# Altium PCB BRD_XC95144XL.PcbDoc (part 2 of 2)
Units mm, origin at the board's own origin, x right, y up, seen from the top; angles counter-clockwise.
Board outline 148 x 69 mm, 2 copper layers (Top Layer, Bottom Layer); 248 components, 199 nets, 775 pads, 46 vias.
Unrouted connection lines stored in the file: 221.
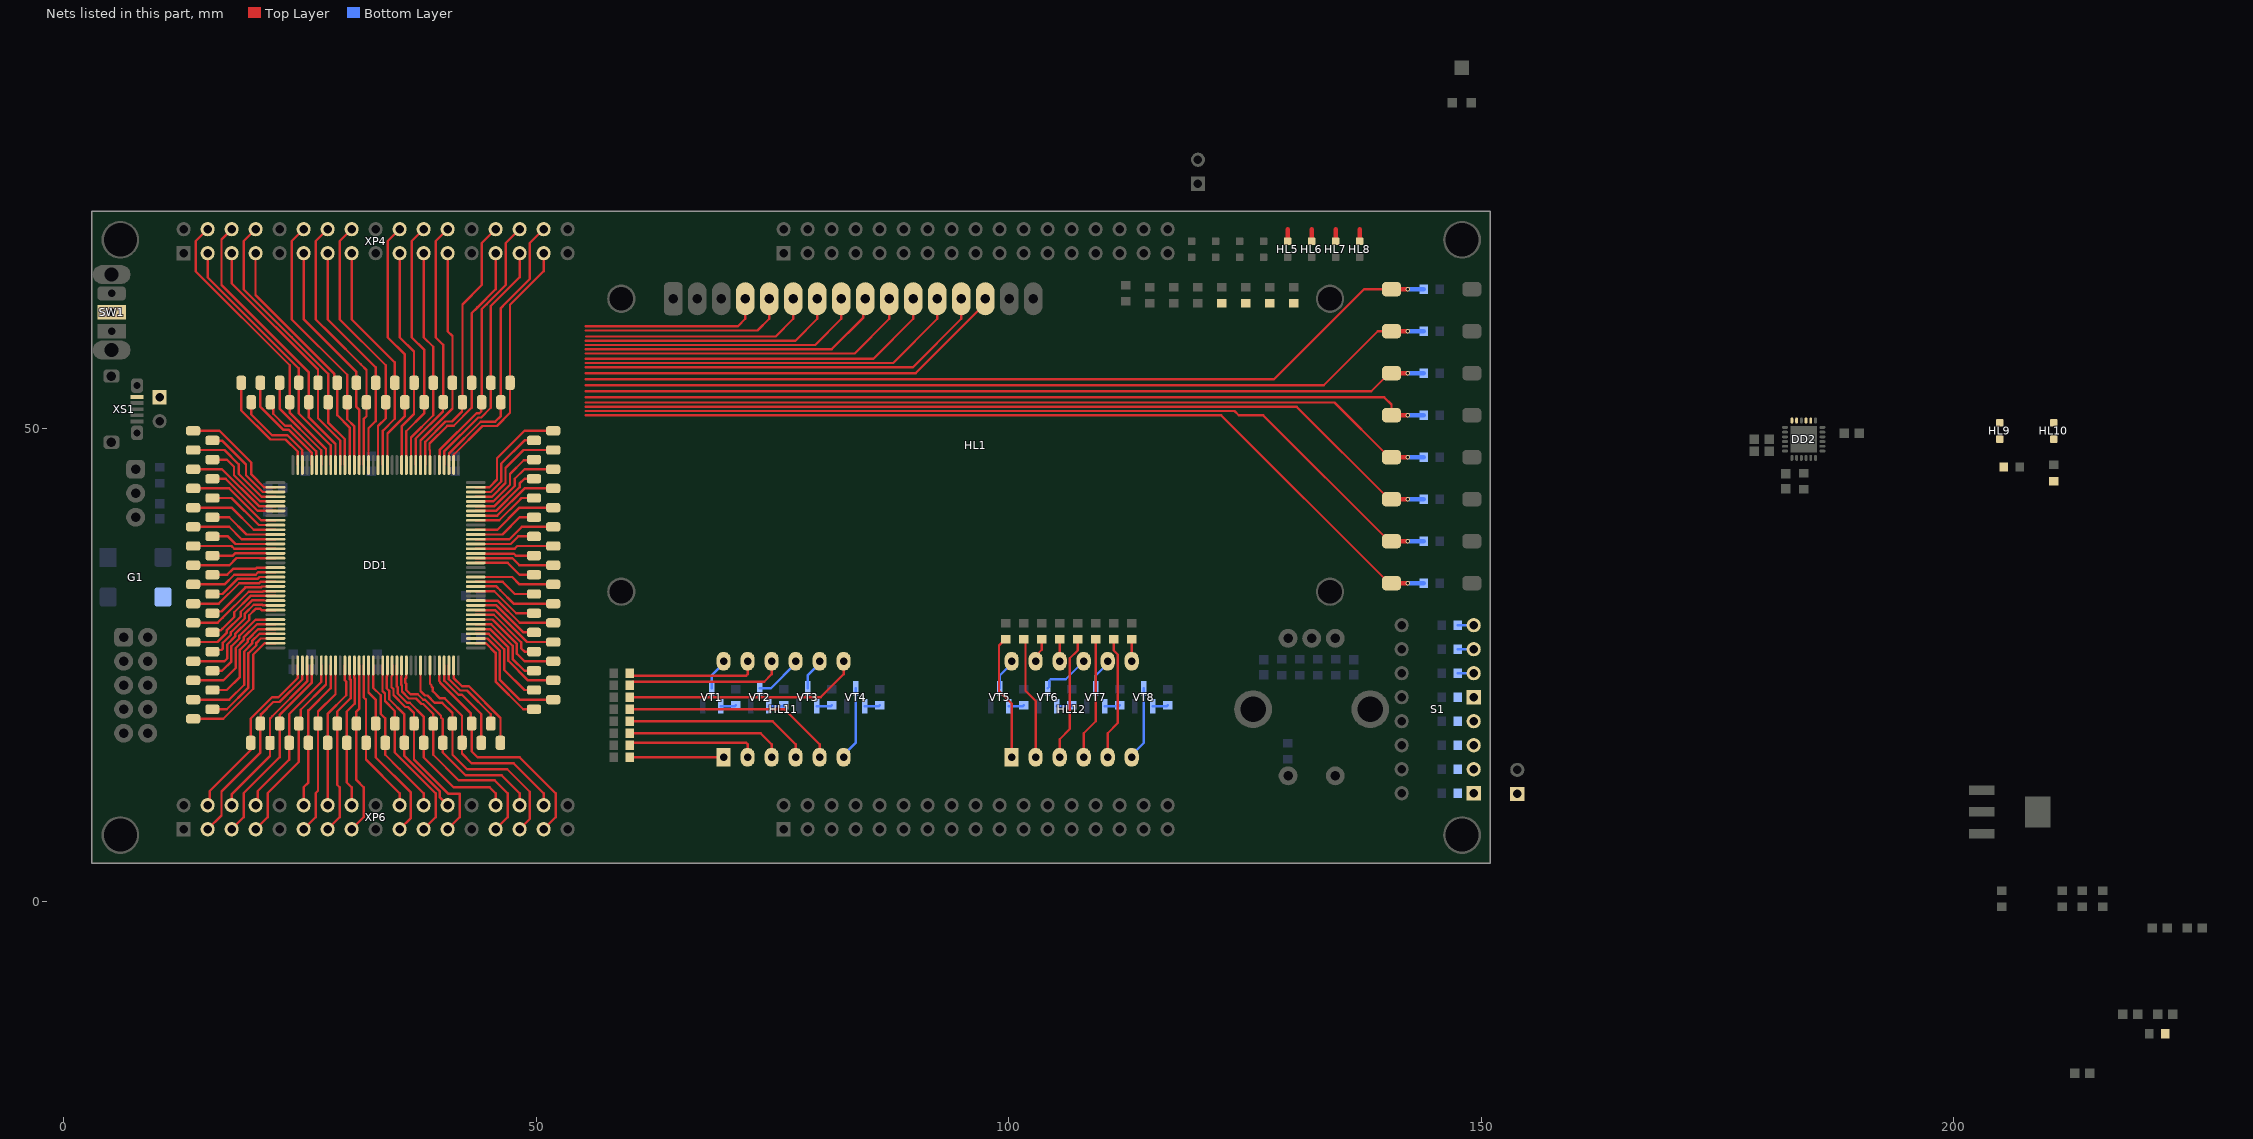
[diagram p2: the nets of this part, all layers, seen from the top]

## Via types
v1: diameter 0.5, hole 0.3, Top Layer to Bottom Layer, 42 vias
v2: diameter 0.66, hole 0.33, Top Layer to Bottom Layer, 4 vias

## Nets (pads, with @x,y where several pads share a name; then routed paths per layer and width w, separated by ;. In a path a pad name is that pad's centre, name@x,y a point inside that pad or via, vN(x,y) a via of type N, cw(c..) or ccw(c..) an arc to the next point about the centre after c; other vN are vias at no path point) (continued)
NetHL5_K: HL5.K R5.1 | length 1.3
  Top Layer w0.5: HL5.K@129.54,69.85 129.54,71.12
NetHL6_K: HL6.K R6.1 | length 1.3
  Top Layer w0.5: HL6.K@132.08,69.85 132.08,71.12
NetHL7_K: HL7.K R7.1 | length 1.3
  Top Layer w0.5: HL7.K@134.62,69.85 134.62,71.12
NetHL8_K: HL8.K R8.1 | length 1.3
  Top Layer w0.5: HL8.K@137.16,69.85 137.16,71.12
NetHL9_A: HL9.A R21.1
NetHL10_A: HL10.A R22.1
NetHL11_1: HL11.1 R27.1 | length 9.9
  Top Layer w0.25: R27.1@59.905,15.24 HL11.1@69.85,15.24
NetHL11_2: HL11.2 R26.1 | length 14
  Top Layer w0.25: R26.1@59.905,16.51 60.156,16.761 72.244,16.761 72.39,16.615 HL11.2@72.39,15.24
NetHL11_3: HL11.3 R30.1 | length 16.9
  Top Layer w0.25: R30.1@59.905,17.78 73.765,17.78 74.93,16.615 HL11.3@74.93,15.24
NetHL11_4: HL11.4 R25.1 | length 19.9
  Top Layer w0.25: R25.1@59.905,19.05 75.035,19.05 77.47,16.615 HL11.4@77.47,15.24
NetHL11_5: HL11.5 R29.1 | length 23
  Top Layer w0.25: R29.1@59.905,20.32 76.305,20.32 80.01,16.615 HL11.5@80.01,15.24
NetHL11_6: HL11.6 VT4.3 | length 7.8
  Bottom Layer w0.25: HL11.6@82.55,15.24 82.55,15.49 83.82,16.76 VT4.3@83.82,22.54
NetHL11_7: HL11.7 R24.1 | length 25
  Top Layer w0.25: R24.1@59.905,21.59 80.115,21.59 82.55,24.025 HL11.7@82.55,25.4
NetHL11_8: HL11.8 VT3.3 | length 3.4
  Bottom Layer w0.25: VT3.3@78.74,22.54 78.74,23.88 80.01,25.15 HL11.8@80.01,25.4
NetHL11_9: HL11.9 VT2.3 | length 5.1
  Bottom Layer w0.25: VT2.3@73.66,22.54 74.86,22.54 77.47,25.15 HL11.9@77.47,25.4
NetHL11_10: HL11.10 R28.1 | length 16.9
  Top Layer w0.25: R28.1@59.905,22.86 59.905,22.91 60.23,23.235 74.14,23.235 74.93,24.025 HL11.10@74.93,25.4
NetHL11_11: HL11.11 R23.1 | length 14
  Top Layer w0.25: R23.1@59.905,24.13 60.156,23.879 72.244,23.879 72.39,24.025 HL11.11@72.39,25.4
NetHL11_12: HL11.12 VT1.3 | length 3.4
  Bottom Layer w0.25: VT1.3@68.58,22.54 68.58,23.88 69.85,25.15 HL11.12@69.85,25.4
NetHL12_1: HL12.1 R36.1 | length 13.4
  Top Layer w0.25: R36.1@99.695,27.725 99.645,27.725 98.996,27.076 98.996,22.263 100.33,20.929 HL12.1@100.33,15.24
NetHL12_2: HL12.2 R35.1 | length 13
  Top Layer w0.25: R35.1@101.6,27.725 101.6,27.559 101.677,27.482 101.713,27.482 101.795,27.4 101.795,22.271 102.87,21.196 HL12.2@102.87,15.24
NetHL12_3: HL12.3 R39.1 | length 13.3
  Top Layer w0.25: HL12.3@105.41,15.24 105.41,17.145 106.485,18.22 106.485,25.705 107.315,26.535 R39.1@107.315,27.725
NetHL12_4: HL12.4 R34.1 | length 13
  Top Layer w0.25: HL12.4@107.95,15.24 107.95,17.78 109.22,19.05 R34.1@109.22,27.725
NetHL12_5: HL12.5 R38.1 | length 13.1
  Top Layer w0.25: HL12.5@110.49,15.24 110.49,17.78 111.565,18.855 111.565,26.095 111.125,26.535 R38.1@111.125,27.725
NetHL12_6: HL12.6 VT8.3 | length 7.8
  Bottom Layer w0.25: HL12.6@113.03,15.24 113.03,15.49 114.3,16.76 VT8.3@114.3,22.54
NetHL12_7: HL12.7 R33.1 | length 2.3
  Top Layer w0.25: HL12.7@113.03,25.4 R33.1@113.03,27.725
NetHL12_8: HL12.8 VT7.3 | length 3.4
  Bottom Layer w0.25: VT7.3@109.22,22.54 109.22,23.88 110.49,25.15 HL12.8@110.49,25.4
NetHL12_9: HL12.9 VT6.3 | length 5.4
  Bottom Layer w0.25: VT6.3@104.14,22.54 104.315,22.715 104.315,23.349 104.461,23.495 106.045,23.495 HL12.9@107.95,25.4
NetHL12_10: HL12.10 R37.1 | length 2.3
  Top Layer w0.25: HL12.10@105.41,25.4 R37.1@105.41,27.725
NetHL12_11: HL12.11 R32.1 | length 2.6
  Top Layer w0.25: HL12.11@102.87,25.4 102.87,25.971 103.505,26.606 R32.1@103.505,27.725
NetHL12_12: HL12.12 VT5.3 | length 3.4
  Bottom Layer w0.25: VT5.3@99.06,22.54 99.06,23.88 100.33,25.15 HL12.12@100.33,25.4
NetR9_2: R9.2 SB7.1 | length 91.1
  Top Layer w0.25: 55.245,54.61 133.351,54.61 139.066,60.325 SB7.1@140.53,60.325
  Top Layer w0.5: SB7.1@140.53,60.325 v1(142.24,60.325)
  Bottom Layer w0.5: v1(142.24,60.325) R9.2@143.93,60.325
NetR10_2: R10.2 SB6.1 | length 89.5
  Top Layer w0.25: 55.245,53.975 138.375,53.975 140.28,55.88 SB6.1@140.53,55.88
  Top Layer w0.5: SB6.1@140.53,55.88 v1(142.24,55.88)
  Bottom Layer w0.5: v1(142.24,55.88) R10.2@143.93,55.88
NetR11_2: R11.2 SB5.1 | length 90.1
  Top Layer w0.25: 55.245,53.34 139.75,53.34 140.53,52.56 SB5.1@140.53,51.435
  Top Layer w0.5: SB5.1@140.53,51.435 v1(142.24,51.435)
  Bottom Layer w0.5: v1(142.24,51.435) R11.2@143.93,51.435
NetR12_2: R12.2 SB4.1 | length 91.1
  Top Layer w0.25: 55.245,52.785 134.485,52.785 140.28,46.99 SB4.1@140.53,46.99
  Top Layer w0.5: SB4.1@140.53,46.99 v1(142.24,46.99)
  Bottom Layer w0.5: v1(142.24,46.99) R12.2@143.93,46.99
NetR13_2: R13.2 SB3.1 | length 92.7
  Top Layer w0.25: 55.245,52.335 130.49,52.335 140.28,42.545 SB3.1@140.53,42.545
  Top Layer w0.5: SB3.1@140.53,42.545 v1(142.24,42.545)
  Bottom Layer w0.5: v1(142.24,42.545) R13.2@143.93,42.545
NetR14_2: R14.2 SB2.1 | length 94.4
  Top Layer w0.25: 55.245,51.885 123.917,51.885 124.367,51.435 126.945,51.435 140.28,38.1 SB2.1@140.53,38.1
  Top Layer w0.5: SB2.1@140.53,38.1 v1(142.24,38.1)
  Bottom Layer w0.5: v1(142.24,38.1) R14.2@143.93,38.1
NetR15_2: R15.2 SB1.1 | length 96
  Top Layer w0.25: 55.245,51.435 122.5,51.435 140.28,33.655 SB1.1@140.53,33.655
  Top Layer w0.5: SB1.1@140.53,33.655 v1(142.24,33.655)
  Bottom Layer w0.5: v1(142.24,33.655) R15.2@143.93,33.655
NetR31_1: R31.1 XP8.1
NetR40_2: R40.2 SB8.1 | length 92.6
  Top Layer w0.25: 55.245,55.245 128.086,55.245 137.611,64.77 SB8.1@140.53,64.77
  Top Layer w0.5: SB8.1@140.53,64.77 v1(142.24,64.77)
  Bottom Layer w0.5: v1(142.24,64.77) R40.2@143.93,64.77
NetR41_2: R41.2 S1.15 | length 1.7
  Bottom Layer w0.25: R41.2@147.535,29.21 S1.15@149.225,29.21
NetR42_2: R42.2 S1.13 | length 1.7
  Bottom Layer w0.25: R42.2@147.535,26.67 S1.13@149.225,26.67
NetR43_2: R43.2 S1.11 | length 1.7
  Bottom Layer w0.25: R43.2@147.535,24.13 S1.11@149.225,24.13
NetR44_2: R44.2 S1.9
NetR45_2: R45.2 S1.7
NetR46_2: R46.2 S1.5
NetR47_2: R47.2 S1.3
NetR48_2: R48.2 S1.1
NetR55_2: R55.2 VT1.1 | length 1.6
  Bottom Layer w0.25: VT1.1@69.53,20.64 71.02,20.64 R55.2@71.12,20.74
NetR56_2: R56.2 VT2.1 | length 1.6
  Bottom Layer w0.25: VT2.1@74.61,20.64 76.1,20.64 R56.2@76.2,20.74
NetR57_2: R57.2 VT3.1 | length 1.6
  Bottom Layer w0.25: VT3.1@79.69,20.64 81.18,20.64 R57.2@81.28,20.74
NetR58_2: R58.2 VT4.1 | length 1.6
  Bottom Layer w0.25: VT4.1@84.77,20.64 86.26,20.64 R58.2@86.36,20.74
NetR59_2: R59.2 VT5.1 | length 1.6
  Bottom Layer w0.25: VT5.1@100.01,20.64 101.5,20.64 R59.2@101.6,20.74
NetR60_2: R60.2 VT6.1 | length 1.6
  Bottom Layer w0.25: VT6.1@105.09,20.64 106.58,20.64 R60.2@106.68,20.74
NetR61_2: R61.2 VT7.1 | length 1.6
  Bottom Layer w0.25: VT7.1@110.17,20.64 111.66,20.64 R61.2@111.76,20.74
NetR62_2: R62.2 VT8.1 | length 1.6
  Bottom Layer w0.25: VT8.1@115.25,20.64 116.74,20.64 R62.2@116.84,20.74
NetSW1_2: SW1.2 XP7.1 XS1.1
Pin2: DD1.2 X36.1 | length 11.9
  Top Layer w0.25: X36.1@13.716,49.784 16.495,49.784 19.868,46.411 19.868,45.162 21.21,43.82 22.41,43.82 DD1.2@22.42,43.81
Pin3: DD1.3 X38.1 | length 9.6
  Top Layer w0.25: X38.1@15.748,48.768 15.8,48.716 16.816,48.716 19.304,46.228 19.304,45.089 21.083,43.31 DD1.3@22.42,43.31
Pin4: DD1.4 X34.1 | length 11.3
  Top Layer w0.25: X34.1@13.716,47.752 17.018,47.752 18.542,46.228 18.542,45.215 20.947,42.81 DD1.4@22.42,42.81
Pin5: DD1.5 X40.1 | length 9
  Top Layer w0.25: X40.1@15.748,46.736 17.272,46.736 18.034,45.974 18.034,45.086 20.81,42.31 DD1.5@22.42,42.31
Pin6: DD1.6 X42.1 | length 10.3
  Top Layer w0.25: X42.1@13.716,45.72 16.764,45.72 20.674,41.81 DD1.6@22.42,41.81
Pin7: DD1.7 X44.1 | length 8.1
  Top Layer w0.25: X44.1@15.748,44.704 17.144,44.704 20.538,41.31 DD1.7@22.42,41.31
Pin9: DD1.9 X46.1 | length 10.1
  Top Layer w0.25: X46.1@13.716,43.688 17.523,43.688 20.901,40.31 DD1.9@22.42,40.31
Pin10: DD1.10 X48.1 | length 7.9
  Top Layer w0.25: X48.1@15.748,42.672 17.78,42.672 20.642,39.81 DD1.10@22.42,39.81
Pin11: DD1.11 X52.1 | length 9.7
  Top Layer w0.25: X52.1@13.716,41.656 17.78,41.656 20.126,39.31 DD1.11@22.42,39.31
Pin12: DD1.12 X50.1 | length 7.4
  Top Layer w0.25: X50.1@15.748,40.64 17.526,40.64 19.356,38.81 DD1.12@22.42,38.81
Pin13: DD1.13 X54.1 | length 9.2
  Top Layer w0.25: X54.1@13.716,39.624 17.526,39.624 18.84,38.31 DD1.13@22.42,38.31
Pin14: DD1.14 X56.1 | length 7
  Top Layer w0.25: X56.1@15.748,38.608 17.4,38.608 18.198,37.81 DD1.14@22.42,37.81
Pin15: DD1.15 X57.1 | length 8.8
  Top Layer w0.25: X57.1@13.716,37.592 17.78,37.592 18.062,37.31 DD1.15@22.42,37.31
Pin16: DD1.16 X3.1 | length 6.8
  Top Layer w0.25: X3.1@15.748,36.576 17.919,36.576 18.153,36.81 DD1.16@22.42,36.81
Pin17: DD1.17 X5.1 | length 9
  Top Layer w0.25: X5.1@13.716,35.56 17.539,35.56 18.301,36.322 20.804,36.322 20.816,36.31 DD1.17@22.42,36.31
Pin19: DD1.19 X9.1 | length 7
  Top Layer w0.25: X9.1@15.748,34.544 17.301,34.544 17.929,35.172 20.304,35.172 20.442,35.31 DD1.19@22.42,35.31
Pin20: DD1.20 X11.1 | length 9.2
  Top Layer w0.25: X11.1@13.716,33.528 17.018,33.528 18.05,34.56 20.329,34.56 20.579,34.81 DD1.20@22.42,34.81
Pin21: DD1.21 X13.1 | length 7.4
  Top Layer w0.25: X13.1@15.748,32.512 16.805,32.512 18.403,34.11 20.515,34.11 20.715,34.31 DD1.21@22.42,34.31
Pin22: DD1.22 X15.1 | length 9.7
  Top Layer w0.25: X15.1@13.716,31.496 16.426,31.496 18.59,33.66 20.701,33.66 20.851,33.81 DD1.22@22.42,33.81
Pin23: DD1.23 X1.1 | length 7.8
  Top Layer w0.25: X1.1@15.748,30.48 15.934,30.666 16.696,30.666 19.24,33.21 20.888,33.21 20.988,33.31 DD1.23@22.42,33.31
Pin24: DD1.24 X19.1 | length 10.1
  Top Layer w0.25: X19.1@13.716,29.464 16.295,29.464 16.823,29.992 19.591,32.76 21.074,32.76 21.124,32.81 DD1.24@22.42,32.81
Pin25: DD1.25 X7.1 | length 8.6
  Top Layer w0.25: X7.1@15.748,28.448 15.973,28.673 16.657,28.673 16.803,28.82 16.803,28.832 18.054,30.082 18.054,30.586 19.778,32.31 DD1.25@22.42,32.31
Pin26: DD1.26 X21.1 | length 11
  Top Layer w0.25: X21.1@13.716,27.432 16.295,27.432 17.253,28.39 17.253,28.645 18.738,30.13 18.738,30.634 19.939,31.835 21.194,31.835 21.209,31.82 22.41,31.82 DD1.26@22.42,31.81
Pin27: DD1.27 X23.1 | length 9.6
  Top Layer w0.25: X23.1@15.748,26.416 15.918,26.586 16.712,26.586 16.858,26.733 16.858,27.358 17.703,28.204 17.703,28.459 19.188,29.944 19.188,30.448 20.125,31.385 21.007,31.385 21.082,31.31 DD1.27@22.42,31.31
Pin28: DD1.28 X25.1 | length 12.4
  Top Layer w0.25: X25.1@13.716,25.4 17.018,25.4 17.308,25.69 17.308,27.172 18.153,28.017 18.153,28.272 19.638,29.757 19.638,30.261 20.312,30.935 20.821,30.935 20.946,30.81 DD1.28@22.42,30.81
Pin30: DD1.30 G1.3 X29.1 | length 10
  Top Layer w0.25: X29.1@15.748,24.384 16.764,24.384 17.758,25.378 17.758,26.986 18.603,27.831 18.603,28.086 20.118,29.6 20.302,29.785 21.46,29.785 21.475,29.8 22.41,29.8 DD1.30@22.42,29.81
Pin31: DD1.31 X17.1 | length 12.6
  Top Layer w0.25: X17.1@13.716,23.368 16.892,23.368 18.208,24.684 18.208,26.799 19.053,27.644 19.053,27.9 20.473,29.32 22.41,29.32 DD1.31@22.42,29.31
Pin32: DD1.32 X60.1 | length 11.2
  Top Layer w0.25: X60.1@15.748,22.352 17.272,22.352 18.658,23.738 18.658,26.613 19.503,27.458 19.503,27.713 20.59,28.8 22.41,28.8 DD1.32@22.42,28.81
Pin33: DD1.33 X66.1 | length 13.8
  Top Layer w0.25: X66.1@13.716,21.336 17.526,21.336 19.108,22.918 19.108,26.426 19.953,27.272 19.953,27.527 20.736,28.31 DD1.33@22.42,28.31
Pin34: DD1.34 X68.1 | length 12.1
  Top Layer w0.25: X68.1@15.748,20.32 17.272,20.32 19.558,22.606 19.558,26.24 20.403,27.085 20.403,27.34 20.863,27.8 22.41,27.8 DD1.34@22.42,27.81
Pin35: DD1.35 X27.1 | length 14.1
  Top Layer w0.25: X27.1@13.716,19.304 16.892,19.304 20.066,22.478 20.066,26.112 21.255,27.3 22.41,27.3 DD1.35@22.42,27.31
Pin38: DD1.38 X72.1 XP6.4 | length 19.1
  Top Layer w0.25: XP6.4@15.24,10.16 15.467,10.387 15.467,11.657 19.812,16.002 X72.1@19.812,16.764 19.812,19.343 22.059,21.59 22.732,21.59 24.77,23.628 DD1.38@24.77,24.96
Pin39: DD1.39 X58.1 XP6.3 | length 21.9
  Top Layer w0.25: XP6.3@15.24,7.62 16.705,9.085 16.705,10.99 16.705,11.625 20.828,15.748 X58.1@20.828,18.796 20.88,18.848 20.88,19.775 22.19,21.085 22.863,21.085 25.245,23.467 25.245,24 25.26,24.015 25.26,24.95 DD1.39@25.27,24.96
Pin40: DD1.40 X74.1 XP6.6 | length 18.1
  Top Layer w0.25: XP6.6@17.78,10.16 17.78,11.289 21.844,15.353 21.844,19.336 22.078,19.571 22.078,19.578 25.77,23.269 DD1.40@25.77,24.96
Pin41: DD1.41 X62.1 XP6.5 | length 20.9
  Top Layer w0.25: XP6.5@17.78,7.62 19.05,8.89 19.05,11.43 22.86,15.24 X62.1@22.86,18.796 22.86,19.723 26.27,23.133 DD1.41@26.27,24.96
Pin43: DD1.43 X78.1 XP6.8 | length 17.7
  Top Layer w0.25: XP6.8@20.32,10.16 20.548,10.388 20.548,11.658 23.876,14.986 X78.1@23.876,16.764 23.876,19.812 27.27,23.206 DD1.43@27.27,24.96
Pin44: DD1.44 X64.1 XP6.7 | length 20.4
  Top Layer w0.25: XP6.7@20.32,7.62 21.59,8.89 21.59,11.43 24.892,14.732 X64.1@24.892,18.796 25.09,18.994 25.09,20.264 27.77,22.944 DD1.44@27.77,24.96
Pin45: DD1.45 X80.1 XP6.12 | length 16
  Top Layer w0.25: XP6.12@25.4,10.16 25.4,12.065 25.908,12.573 X80.1@25.908,16.764 25.908,20.194 28.27,22.556 DD1.45@28.27,24.96
Pin46: DD1.46 X70.1 XP6.11 | length 18.7
  Top Layer w0.25: XP6.11@25.4,7.62 26.67,8.89 26.67,11.43 26.924,11.684 X70.1@26.924,18.796 26.924,20.066 28.77,21.912 DD1.46@28.77,24.96
Pin48: DD1.48 X76.1 XP6.14 | length 15.7
  Top Layer w0.25: XP6.14@27.94,10.16 X76.1@27.94,16.764 27.94,19.812 29.92,21.792 29.92,23.237 29.77,23.387 DD1.48@29.77,24.96
Pin49: DD1.49 X82.1 XP6.13 | length 18.6
  Top Layer w0.25: XP6.13@27.94,7.62 29.21,8.89 29.21,12.065 28.956,12.319 X82.1@28.956,18.796 28.956,20.066 30.37,21.48 30.37,23.423 30.27,23.523 DD1.49@30.27,24.96
Pin50: DD1.50 X84.1 XP6.16 | length 15.4
  Top Layer w0.25: XP6.16@30.48,10.16 30.48,12.065 29.972,12.573 X84.1@29.972,16.764 29.972,20.066 30.82,20.914 30.82,23.61 30.77,23.66 DD1.50@30.77,24.96
Pin51: DD1.51 X86.1 XP6.15 | length 18.3
  Top Layer w0.25: XP6.15@30.48,7.62 31.75,8.89 31.75,12.065 30.988,12.827 X86.1@30.988,18.796 30.988,20.066 31.27,20.348 DD1.51@31.27,24.96
Pin52: DD1.52 X2.1 XP6.20 | length 16.4
  Top Layer w0.25: DD1.52@31.77,24.96 31.77,21.57 32.004,21.336 X2.1@32.004,16.764 32.004,14.986 35.56,11.43 XP6.20@35.56,10.16
Pin53: DD1.53 X6.1 XP6.19 | length 19.7
  Top Layer w0.25: DD1.53@32.27,24.96 32.27,22.086 33.02,21.336 X6.1@33.02,18.796 33.02,15.24 36.748,11.512 36.748,8.808 XP6.19@35.56,7.62
Pin54: DD1.54 X8.1 XP6.22 | length 17
  Top Layer w0.25: DD1.54@32.77,24.96 32.77,22.58 33.555,21.795 33.555,19.828 34.036,19.347 34.036,15.494 35.56,13.97 38.1,11.43 XP6.22@38.1,10.16
Pin56: DD1.56 X12.1 XP6.21 | length 20.2
  Top Layer w0.25: DD1.56@33.77,24.96 33.751,24.941 33.751,22.235 34.005,21.981 34.005,21.185 35.052,20.138 35.052,15.745 39.37,11.427 39.37,8.89 XP6.21@38.1,7.62
Pin57: DD1.57 X14.1 XP6.24 | length 17.5
  Top Layer w0.25: DD1.57@34.27,24.96 34.245,24.935 34.245,23.863 34.201,23.819 34.201,22.511 34.455,22.257 34.455,21.372 36.068,19.759 X14.1@36.068,16.764 36.068,15.366 39.82,11.614 39.82,10.98 XP6.24@40.64,10.16
Pin58: DD1.58 X18.1 XP6.23 | length 21.8
  Top Layer w0.25: DD1.58@34.77,24.96 34.77,23.888 34.695,23.813 34.695,22.654 34.905,22.444 34.905,21.809 36.16,20.554 36.451,20.554 37.084,19.921 37.084,14.986 40.679,11.391 41.91,11.391 41.91,8.89 XP6.23@40.64,7.62
Pin59: DD1.59 X4.1 XP6.28 | length 21.6
  Top Layer w0.25: DD1.59@35.27,24.96 35.245,24.935 35.245,22.74 35.355,22.63 35.355,21.995 36.346,21.004 36.637,21.004 38.1,19.541 X4.1@38.1,16.764 38.1,15.24 41.275,12.065 45.085,12.065 45.72,11.43 XP6.28@45.72,10.16
Pin60: DD1.60 X20.1 XP6.27 | length 25.3
  Top Layer w0.25: DD1.60@35.77,24.96 35.76,24.95 35.76,23.799 35.72,23.759 35.72,22.901 35.805,22.816 35.805,22.181 36.532,21.454 37.293,21.454 37.87,20.877 38.051,20.877 39.116,19.812 X20.1@39.116,18.796 39.116,15.493 41.804,12.805 45.615,12.805 46.99,11.43 46.99,8.89 XP6.27@45.72,7.62
Pin61: DD1.61 X24.1 XP6.30 | length 22.6
  Top Layer w0.25: DD1.61@36.27,24.96 36.26,24.95 36.26,23.663 36.17,23.572 36.17,23.088 36.255,23.003 36.255,22.368 36.719,21.904 37.479,21.904 38.056,21.327 38.237,21.327 39.941,19.623 39.941,19.444 40.132,19.253 X24.1@40.132,16.764 40.132,15.748 42.545,13.335 46.355,13.335 48.26,11.43 XP6.30@48.26,10.16
Pin64: DD1.64 X26.1 XP6.29 | length 25.7
  Top Layer w0.25: DD1.64@37.77,24.96 37.77,22.25 38.243,21.777 38.497,21.777 39.261,21.013 40.056,21.013 41.148,19.921 41.148,15.511 42.689,13.97 46.951,13.97 49.335,11.586 49.335,8.695 XP6.29@48.26,7.62
Pin66: DD1.66 X10.1 XP6.32 | length 22.7
  Top Layer w0.25: DD1.66@38.77,24.96 38.77,23.02 38.931,22.859 38.931,22.715 39.056,22.59 39.056,22.234 39.827,21.463 40.335,21.463 42.164,19.634 X10.1@42.164,16.764 42.164,15.621 43.18,14.605 47.625,14.605 50.8,11.43 XP6.32@50.8,10.16
Pin68: DD1.68 X16.1 XP6.31 | length 25.6
  Top Layer w0.25: DD1.68@39.77,24.96 39.76,24.95 39.76,24.015 39.751,24.006 39.751,23.312 39.831,23.232 39.831,23.16 43.07,19.921 43.07,18.906 X16.1@43.18,18.796 43.18,15.875 43.815,15.24 48.26,15.24 52.07,11.43 52.07,8.89 XP6.31@50.8,7.62
Pin69: DD1.69 X28.1 | length 10
  Top Layer w0.25: DD1.69@40.27,24.96 40.281,24.949 40.281,23.347 41.784,21.844 42.164,21.844 44.196,19.812 X28.1@44.196,16.764
Pin70: DD1.70 X22.1 | length 8.4
  Top Layer w0.25: DD1.70@40.77,24.96 40.77,23.495 41.971,22.294 42.703,22.294 45.212,19.785 X22.1@45.212,18.796
Pin71: DD1.71 X59.1 | length 10.7
  Top Layer w0.25: DD1.71@41.27,24.96 41.27,23.631 42.157,22.744 42.889,22.744 46.228,19.405 X59.1@46.228,16.764
Pin72: DD2.20 HL10.K
Pin73: DD2.21 HL9.K
Pin74: DD1.74 DD2.23 X63.1 | length 10.8
  Top Layer w0.25: DD1.74@43.62,27.31 43.63,27.32 44.682,27.32 45.72,26.282 45.72,23.24 48.64,20.32 X63.1@49.784,20.32
Pin75: DD1.75 DD2.24 X61.1 | length 12.7
  Top Layer w0.25: DD1.75@43.62,27.81 43.63,27.8 44.844,27.8 46.17,26.474 46.17,23.426 48.26,21.336 X61.1@51.816,21.336
Pin76: DD1.76 X65.1 | length 9.9
  Top Layer w0.25: DD1.76@43.62,28.31 43.63,28.3 44.98,28.3 46.62,26.66 46.62,24.5 48.768,22.352 X65.1@49.784,22.352
Pin77: DD1.77 X67.1 | length 11.3
  Top Layer w0.25: DD1.77@43.62,28.81 43.63,28.8 45.116,28.8 47.07,26.847 47.07,25.446 49.148,23.368 X67.1@51.816,23.368
Pin78: DD1.78 X69.1 | length 9
  Top Layer w0.25: DD1.78@43.62,29.31 45.243,29.31 47.52,27.033 47.52,25.632 48.768,24.384 X69.1@49.784,24.384
Pin79: DD1.79 X73.1 | length 10.6
  Top Layer w0.25: DD1.79@43.62,29.81 45.38,29.81 47.97,27.22 47.97,26.198 48.768,25.4 X73.1@51.816,25.4
Pin80: DD1.80 X71.1 | length 8.2
  Top Layer w0.25: DD1.80@43.62,30.31 45.516,30.31 48.42,27.406 48.42,26.764 48.768,26.416 X71.1@49.784,26.416
Pin81: DD1.81 X79.1 | length 9.6
  Top Layer w0.25: DD1.81@43.62,30.81 45.652,30.81 49.03,27.432 X79.1@51.816,27.432
Pin82: DD1.82 X75.1 | length 7.3
  Top Layer w0.25: DD1.82@43.62,31.31 45.797,31.31 48.659,28.448 X75.1@49.784,28.448
Pin83: DD1.83 X85.1 | length 9.2
  Top Layer w0.25: DD1.83@43.62,31.81 45.933,31.81 48.279,29.464 X85.1@51.816,29.464
Pin85: DD1.85 X77.1 | length 7.1
  Top Layer w0.25: DD1.85@43.62,32.81 45.57,32.81 47.9,30.48 X77.1@49.784,30.48
Pin86: DD1.86 X81.1 | length 9
  Top Layer w0.25: DD1.86@43.62,33.31 43.63,33.32 45.8,33.32 46.216,32.904 47.624,31.496 X81.1@51.816,31.496
Pin87: DD1.87 X83.1 | length 6.7
  Top Layer w0.25: DD1.87@43.62,33.81 46.454,33.81 47.752,32.512 X83.1@49.784,32.512
Pin88: DD1.88 X87.1 | length 8.5
  Top Layer w0.25: DD1.88@43.62,34.31 47.478,34.31 48.26,33.528 X87.1@51.816,33.528
Pin91: DD1.91 HL1.7 X89.1 | length 34.3
  Top Layer w0.25: DD1.91@43.62,35.81 46.994,35.81 48.26,34.544 X89.1@49.784,34.544 ; 55.245,59.32 77.445,59.32 79.76,61.635 HL1.7@79.76,63.76
Pin92: DD1.92 HL1.10 X95.1 | length 44.3
  Top Layer w0.25: DD1.92@43.62,36.31 47.48,36.31 48.23,35.56 X95.1@51.816,35.56 ; 55.245,57.97 83.715,57.97 87.38,61.635 HL1.10@87.38,63.76
Pin93: DD1.93 HL1.11 X97.1 | length 44.7
  Top Layer w0.25: DD1.93@43.688,36.785 47.642,36.785 47.851,36.576 X97.1@49.784,36.576 ; 55.245,57.415 85.7,57.415 89.92,61.635 HL1.11@89.92,63.76
Pin94: DD1.94 HL1.12 X99.1 | length 49.6
  Top Layer w0.25: DD1.94@43.62,37.31 47.726,37.31 48.008,37.592 X99.1@51.816,37.592 ; 55.245,56.965 87.79,56.965 92.46,61.635 HL1.12@92.46,63.76
Pin95: DD1.95 HL1.8 X91.1 | length 36.8
  Top Layer w0.25: DD1.95@43.62,37.81 47.318,37.81 48.116,38.608 X91.1@49.784,38.608 ; 55.245,58.87 79.535,58.87 82.3,61.635 HL1.8@82.3,63.76
Pin96: DD1.96 HL1.13 X101.1 | length 52.7
  Top Layer w0.25: DD1.96@43.62,38.31 47.182,38.31 48.496,39.624 X101.1@51.816,39.624 ; 55.245,56.515 89.88,56.515 95,61.635 HL1.13@95,63.76
Pin97: DD1.97 HL1.9 X93.1 | length 39.8
  Top Layer w0.25: DD1.97@43.62,38.81 46.43,38.81 48.26,40.64 X93.1@49.784,40.64 ; 55.245,58.42 81.28,58.42 84.641,61.781 84.641,63.561 HL1.9@84.84,63.76
Pin98: DD1.98 X105.1 | length 9.2
  Top Layer w0.25: DD1.98@43.62,39.31 45.914,39.31 48.26,41.656 X105.1@51.816,41.656
Pin100: DD1.100 X107.1 | length 7.1
  Top Layer w0.25: DD1.100@43.62,40.31 46.109,40.31 48.324,42.526 48.471,42.672 X107.1@49.784,42.672
Pin101: DD1.101 HL1.14 X103.1 | length 55.2
  Top Layer w0.25: DD1.101@43.62,40.81 45.89,40.81 48.768,43.688 X103.1@51.816,43.688 ; 55.245,55.88 90.17,55.88 97.54,63.25 HL1.14@97.54,63.76
Pin102: DD1.102 X111.1 | length 7.8
  Top Layer w0.25: DD1.102@43.62,41.31 45.754,41.31 48.26,43.816 48.26,44.196 48.768,44.704 X111.1@49.784,44.704
Pin103: DD1.103 X109.1 | length 10.3
  Top Layer w0.25: DD1.103@43.62,41.81 45.606,41.81 47.752,43.956 47.752,44.704 48.768,45.72 X109.1@51.816,45.72
Pin104: DD1.104 HL1.4 X113.1 | length 28
  Top Layer w0.25: DD1.104@43.62,42.31 45.47,42.31 47.244,44.084 47.244,45.212 48.704,46.672 49.72,46.672 X113.1@49.784,46.736 ; 55.245,60.849 71.354,60.849 72.14,61.635 HL1.4@72.14,63.76
Pin105: DD1.105 HL1.6 X117.1 | length 36
  Top Layer w0.25: DD1.105@43.62,42.81 45.333,42.81 46.768,44.245 46.768,45.862 48.136,47.23 48.658,47.752 X117.1@51.816,47.752 ; 55.315,59.77 75.355,59.77 77.22,61.635 HL1.6@77.22,63.76
Pin106: DD1.106 X31.1 | length 9.5
  Top Layer w0.25: DD1.106@43.62,43.31 45.197,43.31 46.318,44.431 46.318,46.318 48.768,48.768 X31.1@49.784,48.768
Pin107: DD1.107 HL1.5 X115.1 | length 34.1
  Top Layer w0.25: DD1.107@43.62,43.81 45.06,43.81 45.868,44.618 45.868,46.88 48.772,49.784 X115.1@51.816,49.784 ; 55.245,60.399 73.444,60.399 74.68,61.635 HL1.5@74.68,63.76
Pin110: DD1.110 X35.1 XP4.31 | length 27.3
  Top Layer w0.25: DD1.110@41.27,46.16 41.28,46.17 41.28,47.241 44.33,50.292 45.848,50.292 47.244,51.688 X35.1@47.244,54.864 47.244,63.119 50.8,66.675 XP4.31@50.8,68.58
Pin111: DD1.111 X33.1 XP4.32 | length 30
  Top Layer w0.25: DD1.111@40.77,46.16 40.78,46.17 40.78,47.378 44.144,50.742 45.662,50.742 46.275,51.355 X33.1@46.275,52.809 46.275,62.785 46.794,63.304 46.794,63.305 49.335,65.846 49.335,69.655 XP4.32@50.8,71.12
Pin112: DD1.112 X37.1 XP4.29 | length 25.9
  Top Layer w0.25: DD1.112@40.27,46.16 40.27,47.58 43.882,51.192 44.189,51.192 45.212,52.215 X37.1@45.212,54.864 45.212,62.992 48.26,66.04 XP4.29@48.26,68.58
Pin113: DD1.113 X39.1 XP4.30 | length 28.7
  Top Layer w0.25: DD1.113@39.77,46.16 39.78,46.17 39.78,47.105 39.795,47.12 39.795,47.741 43.696,51.642 44.003,51.642 44.191,51.83 44.191,52.757 X39.1@44.243,52.809 44.243,62.658 44.762,63.177 44.762,63.178 46.795,65.211 46.795,69.655 XP4.30@48.26,71.12
Pin115: DD1.115 X43.1 XP4.27 | length 25.7
  Top Layer w0.25: DD1.115@38.77,46.16 38.77,47.731 38.72,47.781 38.72,48.428 40.613,50.321 41.287,50.321 43.18,52.215 X43.1@43.18,54.864 43.18,62.23 43.793,62.843 43.793,62.846 45.72,64.773 XP4.27@45.72,68.58
Pin116: DD1.116 X41.1 XP4.28 | length 28.4
  Top Layer w0.25: DD1.116@38.27,46.16 38.27,48.615 40.427,50.771 41.1,50.771 42.159,51.83 42.159,52.757 X41.1@42.211,52.809 42.211,63.166 44.255,65.21 44.255,69.655 XP4.28@45.72,71.12
Pin117: DD1.117 X53.1 XP4.23 | length 24
  Top Layer w0.25: DD1.117@37.77,46.16 37.77,48.751 41.148,52.129 X53.1@41.148,54.864 41.148,59.817 40.64,60.325 XP4.23@40.64,68.58
Pin118: DD1.118 X88.1 XP4.24 | length 27
  Top Layer w0.25: DD1.118@37.27,46.16 37.27,48.954 40.146,51.83 40.146,52.776 X88.1@40.179,52.809 40.179,58.881 39.37,59.69 39.37,69.85 XP4.24@40.64,71.12
Pin119: DD1.119 X45.1 XP4.21 | length 23.8
  Top Layer w0.25: DD1.119@36.77,46.16 36.77,49.09 39.116,51.436 X45.1@39.116,54.864 39.116,58.674 38.1,59.69 XP4.21@38.1,68.58
Pin120: DD1.120 X47.1 XP4.22 | length 26.8
  Top Layer w0.25: DD1.120@36.27,46.16 36.27,49.732 38.147,51.609 X47.1@38.147,52.809 38.147,58.373 36.83,59.69 36.83,69.85 XP4.22@38.1,71.12
Pin121: DD1.121 X49.1 XP4.19 | length 23.6
  Top Layer w0.25: XP4.19@35.56,68.58 35.56,59.69 37.084,58.166 X49.1@37.084,54.864 37.084,51.562 35.77,50.248 DD1.121@35.77,46.16
Pin124: DD1.124 X51.1 XP4.20 | length 27
  Top Layer w0.25: DD1.124@34.27,46.16 34.27,49.51 36.115,51.355 X51.1@36.115,52.809 36.115,57.865 34.29,59.69 34.29,69.85 XP4.20@35.56,71.12
Pin125: DD1.125 X55.1 XP4.15 | length 24.8
  Top Layer w0.25: XP4.15@30.48,68.58 30.48,61.595 35.052,57.023 X55.1@35.052,54.864 35.052,51.054 33.77,49.772 DD1.125@33.77,46.16
Pin126: DD1.126 X90.1 XP4.16 | length 27.8
  Top Layer w0.25: XP4.16@30.48,71.12 29.21,69.85 29.21,61.595 34.083,56.722 X90.1@34.083,52.809 34.083,51.101 33.27,50.288 DD1.126@33.27,46.16
Pin128: DD1.128 X94.1 XP4.13 | length 24.8
  Top Layer w0.25: XP4.13@27.94,68.58 27.94,61.595 33.02,56.515 X94.1@33.02,54.864 33.02,50.8 32.27,50.05 DD1.128@32.27,46.16
Pin129: DD1.129 X96.1 XP4.14 | length 27.8
  Top Layer w0.25: XP4.14@27.94,71.12 26.67,69.85 26.67,61.594 28.356,59.907 31.438,56.826 32.051,56.213 X96.1@32.051,52.809 32.051,51.325 31.78,51.054 31.78,46.17 DD1.129@31.77,46.16
Pin130: DD1.130 X98.1 XP4.11 | length 24.9
  Top Layer w0.25: XP4.11@25.4,68.58 25.4,61.602 30.988,56.014 X98.1@30.988,54.864 30.988,52.309 31.27,52.027 DD1.130@31.27,46.16
Pin131: DD1.131 X100.1 XP4.12 | length 28.2
  Top Layer w0.25: XP4.12@25.4,71.12 24.13,69.85 24.13,61.596 30.019,55.707 X100.1@30.019,52.809 30.019,51.015 30.745,50.289 30.745,47.099 30.77,47.074 DD1.131@30.77,46.16
Pin132: DD1.132 X104.1 XP4.7 | length 26.6
  Top Layer w0.25: XP4.7@20.32,68.58 20.3,68.56 20.3,64.155 28.658,55.797 28.658,55.162 X104.1@28.956,54.864 28.956,51.442 30.27,50.128 DD1.132@30.27,46.16
Pin133: DD1.133 X92.1 XP4.8 | length 29.9
  Top Layer w0.25: XP4.8@20.32,71.12 19.05,69.85 19.05,64.769 24.129,59.69 27.987,55.832 X92.1@27.987,52.809 27.987,50.679 29.77,48.896 DD1.133@29.77,46.16
Pin134: DD1.134 X106.1 XP4.5 | length 27.2
  Top Layer w0.25: XP4.5@17.78,68.58 17.78,65.402 26.924,56.258 X106.1@26.924,54.864 26.924,51.105 29.27,48.759 DD1.134@29.27,46.16
Pin135: DD1.135 X102.1 XP4.6 | length 30.4
  Top Layer w0.25: XP4.6@17.78,71.12 16.705,70.045 16.705,65.213 25.955,55.963 X102.1@25.955,52.809 25.955,51.195 28.77,48.38 DD1.135@28.77,46.16
Pin136: DD1.136 X110.1 XP4.3 | length 27.8
  Top Layer w0.25: XP4.3@15.24,68.58 15.24,66.041 24.892,56.389 X110.1@24.892,54.864 24.892,51.621 28.27,48.243 DD1.136@28.27,46.16
Pin137: DD1.137 X108.1 XP4.4 | length 31.2
  Top Layer w0.25: XP4.4@15.24,71.12 13.97,69.85 13.97,66.675 23.923,56.722 X108.1@23.923,52.809 23.95,52.782 23.95,51.684 27.77,47.864 DD1.137@27.77,46.16
Pin138: DD1.138 X112.1 | length 10.5
  Top Layer w0.25: X112.1@22.86,54.864 22.86,52.137 27.27,47.727 DD1.138@27.27,46.16
Pin139: DD1.139 X114.1 | length 9
  Top Layer w0.25: X114.1@21.891,52.809 22.189,52.511 22.189,51.584 23.444,50.329 24.026,50.329 26.745,47.61 26.745,47.12 26.76,47.105 26.76,46.17 DD1.139@26.77,46.16
Pin140: DD1.140 X116.1 | length 11.3
  Top Layer w0.25: X116.1@20.828,54.864 20.828,52.309 23.258,49.879 23.84,49.879 26.27,47.449 DD1.140@26.27,46.16
Pin142: DD1.142 X30.1 | length 9.8
  Top Layer w0.25: X30.1@19.859,52.809 19.859,51.515 22.064,49.31 23.682,49.31 25.27,47.721 DD1.142@25.27,46.16
Pin143: DD1.143 X32.1 | length 12.1
  Top Layer w0.25: X32.1@18.796,54.864 18.796,51.942 21.878,48.86 23.495,48.86 24.77,47.585 DD1.143@24.77,46.16
pads on no net: BR1.0 DD2.1 DD2.10 DD2.11 DD2.12 DD2.13 DD2.14 DD2.15 DD2.17 DD2.18 DD2.19 DD2.22 HL1.0 HL2.0 HL3.0 HL4.0 HL5.0 HL6.0 HL7.0 HL8.0 HL9.0 HL10.0 R1.2 R2.2 R3.2 R4.2 R5.2 R6.2 R7.2 R8.2 R23.2 R24.2 R25.2 R26.2 R27.2 R28.2 R29.2 R30.2 R32.2 R33.2 R34.2 R35.2 R36.2 R37.2 R38.2 R39.2 R49.2 R55.1 R56.1 R57.1 R58.1 R59.1 R60.1 R61.1 R62.1 SW1.3 SW1.4 SW1.5 XP3.3 XP3.4 XP3.5 XP3.6 XP3.7 XP3.8 XP3.11 XP3.12 XP3.13 XP3.14 XP3.15 XP3.16 XP3.19 XP3.20 XP3.21 XP3.22 XP3.23 XP3.24 XP3.27 XP3.28 XP3.29 XP3.30 XP3.31 XP3.32 XP5.3 XP5.4 XP5.5 XP5.6 XP5.7 XP5.8 XP5.11 XP5.12 XP5.13 XP5.14 XP5.15 XP5.16 XP5.19 XP5.20 XP5.21 XP5.22 XP5.23 XP5.24 XP5.27 XP5.28 XP5.29 XP5.30 XP5.31 XP5.32 XS1.4 XS1.6

## Keep-outs
Keep-Out Layer:
  lines w0.1: 2.02,2 151,2 151,72.48 2.02,72.48 2.02,2

## Silkscreen, mask and mechanical layers (free items; w line width, h text height)
Mechanical 15:
  lines w0.1: -9.226,35.56 156.274,35.56 ; 33.02,-10.52 33.02,81.48 ; 96.52,-10.52 96.52,81.48

## Text inside footprints (layer, text, board x,y; h text height)
HL1: Top Overlay "16" at 101.762,60.628 h2; Top Overlay "1" at 64.284,60.617 h2